# Altium PCB Spektrop2_Processor_Board_V1.PcbDoc (part 4 of 4)
Units mm, origin at the board's own origin, x right, y up, seen from the top; angles counter-clockwise.
Board outline 42 x 42 mm, 8 copper layers (TOP, L1-GND, L2, L3-1V8, L4-PWR, L5, L6-GND, BTM), stack 1.554 mm thick; 263 components, 222 nets, 1386 pads, 678 vias.
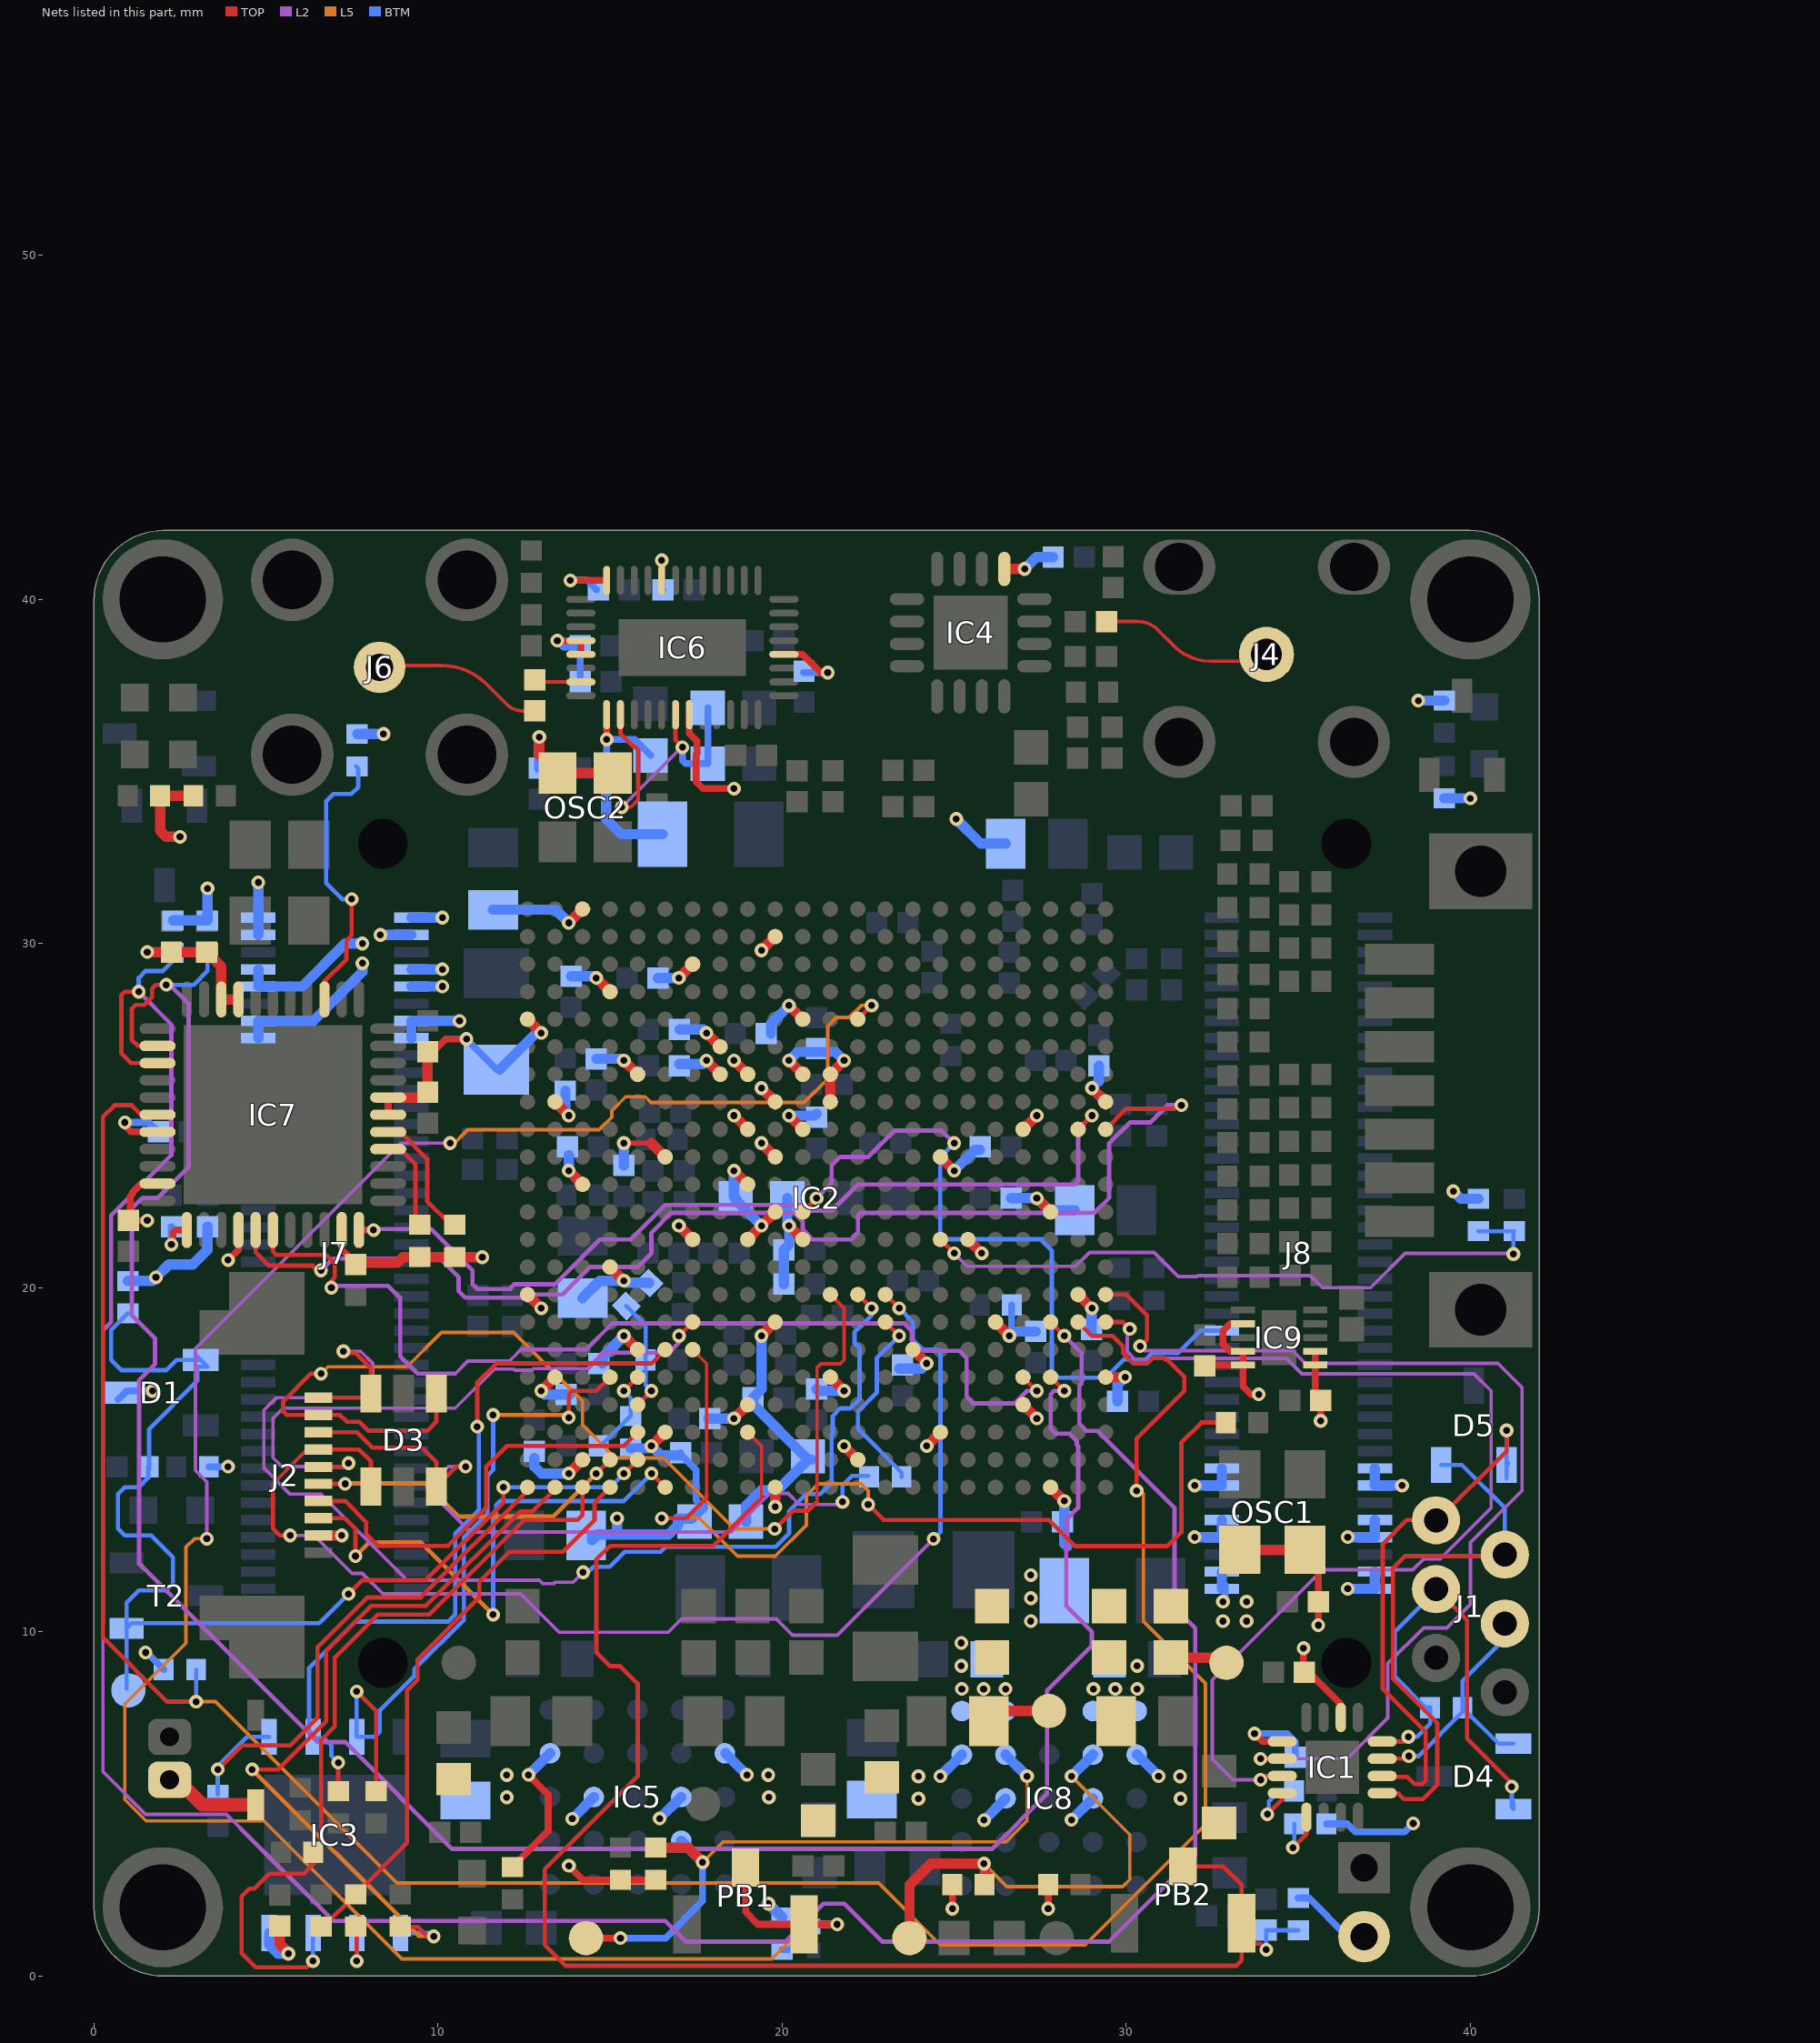
[diagram p10: the nets of this part, all layers, seen from the top]

## Via types
v1: diameter 0.4, hole 0.2, TOP to BTM, tented both sides, 678 vias

## Nets (pads, with @x,y where several pads share a name; then routed paths per layer and width w, separated by ;. In a path a pad name is that pad's centre, name@x,y a point inside that pad or via, vN(x,y) a via of type N, cw(c..) or ccw(c..) an arc to the next point about the centre after c; other vN are vias at no path point) (continued)
P1V8: C2.2 C26.1 C27.1 C28.1 C32.1 C40.1 C41.1 C42.1 C49.1 C50.1 C51.1 C52.1 C53.1 C54.1 C59.1 C60.1 C61.1 C62.1 C63.1 C64.1 C65.1 C66.1 C67.1 C68.1 C69.1 C70.1 C71.1 C74.1 C77.1 C83.1 C113.2 C115.2 C116.2 C117.2 C118.2 C119.2 C123.1 C125.2 C126.2 C127.2 C128.2 C129.2 D1.3 IC1.1 IC2.A3 IC2.A13 IC2.B10 IC2.B20 IC2.C7 IC2.C17 IC2.D4 IC2.D14 IC2.E1 IC2.E11 IC2.E21 IC2.F8 IC2.F18 IC2.G5 IC2.H2 IC2.H22 IC2.J19 IC2.K6 IC2.K14 IC2.K16 IC2.L3 IC2.L13 IC2.M14 IC2.M20 IC2.N7 IC2.N13 IC2.N17 IC2.P4 IC2.P12 IC2.P14 IC2.R1 IC2.R11 IC2.R13 IC2.R21 IC2.T11 IC2.T12 IC2.T14 IC2.T15 IC2.V22 IC3.8 IC4.13 IC6.4 IC6.16 IC6.20 IC6.29 IC6.35 IC7.21 IC7.26 IC7.32 IC7.39 IC7.40 IC9.1 IC9.2 J2.9 J3.2 L1.2 L4.1 L13.2 OSC1.1 OSC1.4 OSC2.1 OSC2.4 R1.2 R8.1 R11.2 R12.2 R19.2 R23.2 R24.2 R25.1 R26.1 R77.1 R79.2 R80.2 R81.1 R82.1 R83.1 R84.1 | length 117.9
  TOP w0.15: v1(15.399,24.2) 16.199,24.2
  TOP w0.2: v1(1.55,21.95) C119.2@1,21.95 1.05,22 1.05,22.649 1.125,22.724 1.125,22.776 1.374,23.025 IC7.21@1.85,23.025 IC7.21@1.9,23.025 ; v1(3.9,20.8) 4.2,21.1 IC7.26@4.2,21.675 ; IC7.32@7.2,21.675 7.2,21.105 C117.2@7.58,20.725 ; IC7.39@8.55,25.025 IC7.40@8.55,25.525 ; C116.2@9.7,25.675 C116.2@9.7,25.776 ; C115.2@9.7,26.85 9.849,26.85 10.224,27.225 v1(10.825,27.225) ; v1(13.844,40.55) IC6.20@14.9,40.55 ; v1(14.9,35.929) IC6.29@14.9,36.65 ; IC6.16@16.5,40.55 v1(16.5,41.135) ; IC6.35@17.3,36.65 17.3,36.101 17.525,35.876 17.525,35.524 17.5,35.499 17.5,34.7 17.7,34.5 v1(18.6,34.5) ; IC6.4@20.05,38.4 20.593,38.4 21.121,37.872 v1(21.324,37.872) ; v1(33.726,7.043) 33.957,6.813 IC1.1@34.533,6.813 ; IC9.2@35.488,18.15 IC9.1@35.488,17.75 35.488,16.889 C123.1@35.647,16.729 v1(35.647,16.129) ; v1(35.58,10.192) C74.1@35.58,10.876 OSC1.1@35.58,11.992
  TOP w0.3: C77.1@5.4,1.45 5.4,0.925 5.65,0.675 v1(5.65,0.65) ; J2.9@6.525,12.8 v1(7.2,12.8) ; C117.2@7.58,20.725 7.6,20.725 8.825,20.725 8.985,20.885 R79.2@9.471,20.885 R83.1@10.491,20.885 v1(11.285,20.885) ; IC7.40@8.55,25.525 C116.2@9.52,25.525 ; C116.2@9.542,25.546 C116.2@9.52,25.525 ; 9.697,26.528 9.697,25.675 9.697,25.546 9.675,25.525 C116.2@9.52,25.525 ; IC2.H22@12.599,19.8 v1(12.999,19.4) ; IC2.V22@12.599,27.8 v1(12.999,27.4) ; v1(12.944,36) 12.944,35.481 OSC2.1@13.475,34.95 OSC2.4@15.075,34.95 ; v1(12.999,17) IC2.E21@13.399,17.4 ; IC2.R21@13.399,25.4 v1(13.799,25) ; v1(13.799,14.6) IC2.B20@14.199,15 ; v1(13.799,23.4) IC2.M20@14.199,23 ; IC2.J19@14.999,20.6 v1(15.399,20.2) ; v1(15.4,18.6) IC2.F18@15.799,18.2 ; v1(16.199,15.4) IC2.C17@16.599,15.8 ; 16.199,24.2 IC2.N17@16.599,23.8 ; v1(16.999,21.8) IC2.K16@17.399,21.4 ; v1(17.799,26.6) IC2.T15@18.199,26.2 ; v1(18.599,16.2) IC2.D14@18.999,16.6 ; v1(18.599,23.4) IC2.M14@18.999,23 ; v1(18.599,25) IC2.P14@18.999,24.6 ; v1(18.599,26.6) IC2.T14@18.999,26.2 ; IC2.K14@18.999,21.4 v1(19.399,21.8) IC2.L13@19.799,22.2 ; v1(19.399,24.2) IC2.N13@19.799,23.8 ; v1(19.399,25.8) IC2.R13@19.799,25.4 ; v1(19.799,13.634) IC2.A13@19.799,14.2 ; v1(20.199,25) IC2.P12@20.599,24.6 ; v1(20.199,26.6) IC2.T12@20.599,26.2 ; IC2.E11@21.399,17.4 v1(21.799,17) ; IC2.R11@21.399,25.4 IC2.T11@21.399,26.2 v1(21.799,26.6) ; v1(21.799,15.4) IC2.B10@22.199,15 ; IC2.F8@23.799,18.2 v1(24.199,17.8) ; v1(24.199,15.4) IC2.C7@24.599,15.8 ; IC2.N7@24.599,23.8 v1(24.999,23.4) ; IC2.K6@25.399,21.4 v1(25.799,21) ; IC2.G5@26.199,19 v1(26.599,18.6) ; IC4.13@26.454,40.881 27.046,40.881 v1(27.047,40.883) ; IC2.P4@26.999,24.6 v1(27.399,25) ; IC2.D4@27,16.6 v1(27.4,16.201) ; v1(27.399,22.6) IC2.L3@27.799,22.2 ; IC2.A3@27.799,14.2 v1(28.199,13.8) ; IC2.H2@28.599,19.8 v1(28.999,19.4) ; v1(28.999,25.8) IC2.R1@29.399,25.4 ; IC2.E1@29.399,17.4 v1(29.965,17.4) ; OSC1.4@33.293,12.378 OSC1.1@35.193,12.378
  BTM w0.2: D1.3@0.7,16.75 0.85,16.9 0.95,17 v1(1.7,17) ; v1(1.5,9.4) 1.53,9.4 R84.1@2.03,8.9 ; v1(10.825,27.225) 10.825,27.208 C66.1@11.696,26.337 ; v1(13.844,40.55) 14.337,40.55 C125.2@14.606,40.281 ; C128.2@14.909,35.16 14.9,35.169 v1(14.9,35.929) 15.71,35.929 C127.2@16.175,35.464 ; v1@16.442,41.193 v1(16.5,41.135) 16.5,40.316 C126.2@16.539,40.277 ; C71.1@17.05,15.2 17.05,15.15 17.5,14.7 17.5,13.82 L4.1@17.7,13.62 ; C129.2@20.614,37.872 20.636,37.872 v1(21.324,37.872) ; v1(26.599,18.6) 26.67,18.67 R19.2@26.67,19.5 ; v1(27.399,25) v1@27.5,25 ; v1(33.726,7.043) 34.668,7.043 34.905,6.806 C2.2@34.905,6.356 ; R23.2@34.996,2.267 35.303,2.267 J3.2@36.419,1.151 ; R1.2@35.82,4.42 36.42,4.42 36.655,4.185 38.088,4.185 v1(38.336,4.433)
  BTM w0.3: R24.2@0.983,20.197 0.983,20.2 1.7,20.2 v1(1.8,20.3) 2.175,20.675 2.875,20.675 3.3,21.1 C118.2@3.3,21.775 ; R81.1@2.3,30.67 R82.1@3.3,30.67 v1(3.3,31.6) ; IC3.8@5.095,1.25 5.095,0.905 5.35,0.65 v1(5.65,0.65) ; R80.2@7.651,36.088 v1(8.417,36.088) ; C66.1@11.789,26.335 12.853,27.4 v1(12.999,27.4) ; C65.1@12.8,15.05 12.8,14.8 13,14.6 v1(13.799,14.6) ; C113.2@12.944,35.092 v1(12.944,36) ; v1@13.012,16.987 v1(12.999,17) v1@13.024,16.975 ; v1@13.024,17 v1@13.024,16.975 ; R8.1@13.7,25.723 13.7,25.098 v1(13.799,25) ; v1(13.799,23.4) C64.1@13.799,23.849 ; C63.1@13.824,16.9 C63.1@13.724,16.9 13.099,16.9 v1@13.024,16.975 ; C32.1@14.199,19.7 14.699,20.2 v1(15.399,20.2) ; C26.1@14.475,12.775 14.475,12.663 14.637,12.825 15.2,12.825 ; C70.1@14.786,17.8 14.779,17.792 14.779,17.979 v1(15.4,18.6) ; C128.2@14.9,35.169 14.888,35.157 14.888,35.1 14.888,33.612 15.326,33.174 C52.1@16.523,33.174 ; v1(15.2,13.3) 15.2,12.825 ; C42.1@15.4,23.55 v1(15.399,24.2) ; v1@15.457,20.142 16.132,20.142 R25.1@16.132,20.132 ; R26.1@15.6,15.33 16.13,15.33 v1(16.199,15.4) 16.473,15.126 C71.1@16.999,15.126 ; C68.1@17.014,26.5 17.699,26.5 v1(17.799,26.6) ; L4.1@17.7,13.62 17.37,13.291 16.975,13.291 16.975,13.2 16.975,13.103 16.697,12.825 15.2,12.825 ; C53.1@17.849,16.2 C53.1@17.899,16.2 v1(18.599,16.2) ; v1(18.599,23.4) 18.599,22.65 18.649,22.6 18.649,22.55 v1(19.399,21.8) ; v1(20.199,25) 20.95,25 C51.1@21,25.05 ; v1(20.199,26.6) 20.449,26.85 21,26.85 21.549,26.85 v1(21.799,26.6) ; C54.1@20.999,17.05 21.049,17 v1(21.799,17) ; C50.1@23.399,17.65 23.5,17.65 24.049,17.65 v1(24.199,17.8) ; v1(24.999,23.4) 25.6,24 C61.1@25.75,24 ; v1(25.057,33.617) 25.774,32.9 C49.1@26.5,32.9 ; C40.1@26.65,22.6 27.399,22.6 27.749,22.25 C62.1@28.5,22.25 ; v1@26.67,18.67 26.726,18.726 C41.1@27.364,18.726 ; v1(27.047,40.883) 27.39,41.225 C83.1@27.875,41.225 ; v1(28.199,13.8) 28.199,13.2 28.199,13.104 28.199,12.562 28.283,12.478 ; C27.1@28.993,18.709 C27.1@28.993,18.781 28.993,19.393 v1(28.999,19.4) ; v1(28.999,25.8) 29.199,26 C28.1@29.199,26.45 ; C60.1@29.749,16.7 29.749,17.184 v1(29.965,17.4) ; v1(38.485,37.057) R12.2@39.242,37.057 ; v1(39.5,22.8) 39.719,22.581 R77.1@40.231,22.581 ; v1(19.6,2.1) R11.2@19.995,1.705 v1(19.6,2.1)
  other v1: 27.225,10.31 27.225,10.978 27.225,11.646
P1V8_EN: IC5.D4 IC8.B2 R34.2 TP4.1 | length 19.5
  TOP w0.2: TP4.1@14.301,1.1 v1(15.3,1.1)
  TOP w0.3: R34.2@16.319,3.73 17.265,3.73 v1(17.69,3.305)
  L5 w0.1: v1(17.69,3.305) 18.285,3.9 26.5,3.9 27.115,4.515 v1(27.115,5.805)
  BTM w0.2: v1(15.3,1.1) 16.61,1.1 17.69,2.18 v1(17.69,3.305)
  BTM w0.3: IC5.D4@17.065,3.93 v1(17.69,3.305) ; IC8.B2@26.49,6.43 v1(27.115,5.805)
P1V8_L: C100.2 C101.2 IC8.A1 IC8.B1 L13.1 TP8.1 | length 1.9
  TOP w0.3: C100.2@26,7.4 26.3,7.7 TP8.1@27.75,7.7
  other v1: 25.22,8.34 25.855,8.34 26.49,8.34 25.205,9.008 25.205,9.676
P3V3: C1.2 C120.2 C121.2 C122.2 C132.2 C133.2 C134.2 C135.2 IC1.14 IC6.24 IC6.25 IC7.8 IC7.9 IC7.18 IC7.23 IC9.7 IC9.9 IC9.10 J8.65 J8.66 J8.67 J8.68 J8.71 J8.72 J8.73 J8.74 J8.77 J8.78 J8.79 J8.80 L11.2 L12.2 R10.2 R22.2 R58.2 R62.2 | length 28.4
  TOP w0.2: v1(0.9,24.8) 0.9,24.7 1.075,24.525 IC7.18@1.85,24.525 ; v1(2.25,21.25) 2.3,21.3 2.3,21.6 2.375,21.675 IC7.23@2.7,21.675 ; v1(13.464,38.8) IC6.24@14.15,38.8 14.15,38.5 ; C122.2@32.275,17.725 32.3,17.75 IC9.10@33.388,17.75 ; IC9.7@33.388,18.95 33.019,18.95 32.811,18.741 32.811,18.358 33.019,18.15 IC9.9@33.388,18.15 IC9.10@33.388,17.75 ; v1(33.85,16.9) 33.625,16.9 33.388,17.137 IC9.10@33.388,17.75 ; v1(35.151,9.525) 35.151,8.981 35.244,8.887 36.233,7.898 IC1.14@36.233,7.513
  TOP w0.3: v1(1.55,29.75) C120.2@2.25,29.75 C121.2@3.275,29.75 3.7,29.325 IC7.9@3.7,28.375 IC7.8@4.2,28.375 ; v1(2.5,33.1) 2.1,33.1 1.925,33.275 R62.2@1.925,34.295 R58.2@2.89,34.295
  BTM w0.2: v1(0.9,24.8) 1.6,24.8 C134.2@1.875,24.525 ; v1(2.25,21.25) C135.2@2.25,21.775 ; R22.2@3.34,14.8 v1(3.9,14.8) ; v1(13.464,38.8) 13.647,38.617 C132.2@13.997,38.617 ; C132.2@13.997,38.649 C132.2@13.997,38.617 ; C133.2@14.134,37.61 C132.2@14.134,38.617 ; C132.2@14.134,38.649 14.102,38.617 C132.2@13.997,38.617 ; v1(32.81,10.875) 32.875,10.94 32.875,11.25 J8.80@32.875,11.353
  BTM w0.3: v1(31.985,12.75) J8.74@32.775,12.75 J8.72@32.775,13.25 ; v1(31.985,14.25) J8.68@32.775,14.25 J8.66@32.775,14.75 ; J8.80@32.775,11.25 J8.78@32.775,11.75 ; v1(36.435,11.25) J8.79@37.225,11.25 J8.77@37.225,11.75 ; v1(36.435,12.75) J8.73@37.225,12.75 J8.71@37.225,13.25 ; J8.65@37.225,14.75 J8.67@37.225,14.25 v1(38.015,14.25) ; R10.2@39.242,34.217 v1(39.999,34.217)
  other v1: 32.81,10.31 33.495,10.31 33.495,10.875
P3V3_EN: IC8.D2 R39.2 TP2.1 | length 13.8
  TOP w0.3: TP2.1@23.7,1.1 23.7,2.641 24.324,3.265 v1(25.865,3.265) 25.885,3.245 R39.2@25.885,2.66
  L5 w0.1: v1(25.865,3.265) 26.53,2.6 29.9,2.6 30.1,2.8 30.1,4.11 v1(28.405,5.805)
  BTM w0.3: v1(28.405,5.805) IC8.D2@29.03,6.43
P3V3_L: C96.2 C97.2 IC8.D1 IC8.E1 L11.1 L12.1 TP7.1 | length 1.7
  TOP w0.3: L12.1@31.3,9.25 32.67,9.25 32.865,9.055 TP7.1@32.91,9.01
  other v1: 29.045,8.34 29.68,8.34 30.315,8.34 30.315,9.008
P12V0: C84.2 C85.2 C86.2 C93.2 C94.2 C95.2 D2.1 IC5.A2 IC5.B3 IC5.D3 IC5.E2 IC8.A2 IC8.B3 IC8.D3 IC8.E2 J5.1 R34.1 R38.1 R39.1 R41.1 R60.2 | length 17.3
  TOP w0.2: R60.2@12.16,3.17 13.2,4.21 13.2,5.275 v1(12.63,5.845) ; v1(13.8,3.2) 14.21,2.79 R41.1@15.3,2.79 R34.1@16.319,2.79 ; v1(24.945,1.955) R39.1@24.945,2.66 ; v1(27.73,1.955) R38.1@27.73,2.66
  TOP w0.4: J5.1@2.2,5.7 2.425,5.7 3.15,4.975 D2.1@4.7,4.975
  BTM w0.3: v1(12.63,5.845) IC5.A2@13.255,6.47 ; v1(13.9,4.567) IC5.B3@14.525,5.192 ; v1(16.44,4.575) IC5.D3@17.065,5.2 ; IC5.E2@18.35,6.47 v1(18.975,5.845) ; v1(24.595,5.805) IC8.A2@25.22,6.43 ; v1(25.865,4.527) IC8.B3@26.49,5.152 ; v1(28.405,4.535) IC8.D3@29.03,5.16 ; IC8.E2@30.315,6.43 v1(30.94,5.805)
  other v1: 23.959,5.152 31.576,5.152 11.994,5.192 19.611,5.192 23.959,5.8 31.561,5.8 11.994,5.84 19.596,5.84
Power_Good: C75.1 D1.1 IC2.B18 R24.1 T2.1 TP3.1 | length 35
  TOP w0.125: v1(7.4,11.1) 7.8,11.5 9.646,11.5 11.9,13.754 v1(11.9,14.2) ; v1(15.399,14.6) IC2.B18@15.799,15
  BTM w0.125: TP3.1@0.95,8.35 T2.1@0.95,10.1 ; R24.1@0.983,19.257 0.5,18.774 0.5,17.9 0.8,17.6 2.1,17.6 2.4,17.9 D1.1@3.1,17.9 ; C75.1@1.574,14.8 1.574,14.474 1.3,14.2 0.9,14.2 0.7,14 0.7,13 0.9,12.8 1.658,12.8 2.298,12.161 2.298,11.398 2.1,11.2 1.3,11.2 0.95,10.85 T2.1@0.95,10.1 ; C75.1@1.599,14.759 C75.1@1.604,14.759 ; C75.1@1.604,14.7 C75.1@1.604,14.759 ; D1.1@3,18 D1.1@3.1,17.9 ; v1(7.4,11.1) 6.55,10.25 1.1,10.25 T2.1@0.95,10.1 ; v1(11.9,14.2) 15,14.2 v1(15.399,14.6) ; C75.1@1.604,14.759 1.604,14.8 1.604,15.894 3,17.29 3,17.7 3.1,17.7 3.3,17.7 D1.1@3.1,17.9
PROGRAM_B: C3.2 IC2.V10 PB1.1 PB1.3 R11.1 | length 69.1
  TOP w0.125: IC2.V10@22.199,27.8 v1(22.599,28.2)
  TOP w0.2: PB1.3@18.935,3.15 18.935,1.865 19.3,1.5 PB1.1@20.635,1.5 v1(21.6,1.5)
  L2 w0.1: v1(3.28,12.705) 3.28,14.358 2.95,14.688 2.95,18.227 8.922,24.2 v1(10.348,24.2)
  L5 w0.1: v1(3.28,12.705) 2.92,12.705 2.674,12.46 2.674,9.672 0.896,7.893 0.896,5.124 1.516,4.503 4.94,4.503 8.943,0.5 19.697,0.5 20.697,1.5 v1(21.6,1.5) ; v1(10.348,24.2) 10.413,24.135 10.866,24.588 14.682,24.588 15.049,24.955 15.049,25.144 15.452,25.547 16.022,25.547 16.188,25.381 20.637,25.381 21.32,26.064 21.32,27.596 21.573,27.85 21.949,27.85 22.299,28.2 v1(22.599,28.2)
  BTM w0.2: R11.1@19.995,0.765 20.24,0.765 20.485,1.01 20.485,1.053 20.867,1.435 C3.2@20.91,1.435 20.975,1.5 v1(21.6,1.5)
PS_CLK: IC2.F16 R14.1 | length 28.2
  TOP w0.1: IC2.F16@17.399,18.2 17.805,17.794 17.805,14
  TOP w0.125: v1(16.5,13.3) 17.21,13.3 17.805,13.895 17.805,14 ; v1(22.5,13.7) 22.95,13.25 27.75,13.25 28.513,12.488 31.187,12.488 31.598,12.898 31.598,15.498 32.182,16.082 R14.1@32.898,16.082
  L5 w0.1: v1(16.5,13.3) 17.6,13.3 18.7,12.2 19.8,12.2 20.7,13.1 20.7,13.95 21.05,14.3 22.3,14.3 22.5,14.1 v1(22.5,13.7)
PS_MIO7_VMODE0: IC2.D18 R25.2 R29.1 | length 3.3
  TOP w0.125: IC2.D18@15.799,16.6 v1(16.199,17)
  BTM w0.125: R25.2@15.468,19.468 16.03,18.905 R29.1@16.03,17.9 16.03,17.169 v1(16.199,17)
PS_MIO8_VMODE1: IC2.E18 R26.2 R28.1 | length 2.7
  TOP w0.125: v1(15.399,17) IC2.E18@15.799,17.4
  BTM w0.125: R28.1@14.67,15.4 14.73,15.4 R26.2@15.6,16.27 15.6,16.799 v1(15.399,17)
PS_SRST_B: C76.1 IC2.C14 PB2.1 PB2.3 R23.1 | length 47.4
  TOP w0.1: IC2.C14@18.999,15.8 19.399,15.4 19.399,14.383 19.399,13.899
  TOP w0.125: 19.399,13.899 18,12.5 15,12.5 14.6,12.1 14.6,9.4 15,9 15.3,9 15.8,8.5 15.8,5.8 13.1,3.1 13.1,0.9 13.7,0.3 33.2,0.3 33.35,0.45 PB2.1@33.35,1.535 33.35,2.65 32.815,3.185 PB2.3@31.65,3.185 ; PB2.1@33.529,0.942 33.887,0.942 v1(34.066,0.763)
  BTM w0.125: v1(34.066,0.763) C76.1@34.066,1.335 34.075,1.327 R23.1@34.996,1.327
PUDC_B: IC2.K7 R77.2 R78.1 | length 19.7
  TOP w0.125: IC2.K7@24.599,21.4 v1(24.999,21)
  L2 w0.1: v1(24.999,21) 25.38,20.618 28.523,20.618 28.928,21.023 30.807,21.023 31.505,20.325 32.055,20.325 32.08,20.35 35.35,20.35 35.7,20 37.1,20 38.1,21 41.225,21 v1(41.25,20.975)
  BTM w0.125: R77.2@40.231,21.641 R78.1@41.271,21.641 41.25,21.62 v1(41.25,20.975)
QSPI_CLK_BOOT_MODE4: IC2.A19 R20.1 R30.1 | length 17.2
  TOP w0.125: R20.1@6.6,1.43 6.66,1.43 R30.1@7.6,2.37 9.1,3.87 9.1,8.3 9.4,8.6 9.4,9.2 11.2,11 11.2,11.45 12.075,12.325 13.625,12.325 14.55,13.25 14.55,13.75 IC2.A19@14.999,14.2
QSPI_CLK_BOOT_MODE4_R: IC3.6 R30.2 | length 1.8
  TOP w0.125: v1(7.635,0.435) R30.2@7.635,1.395
  BTM w0.125: v1(7.635,0.435) IC3.6@7.635,1.25
QSPI_DQ0_BOOT_MODE3: IC2.A21 IC3.5 R16.1 | length 22.8
  TOP w0.125: v1(4.6,6) 5.354,6 6.75,7.396 6.75,9.45 8.05,10.75 8.148,10.75 9.646,10.75 12.396,13.5 12.75,13.5 13.399,14.149 IC2.A21@13.399,14.2 ; R16.1@8.9,1.43 9.414,1.43 9.694,1.15 v1(9.875,1.15)
  L5 w0.1: 9.429,1.171 9.45,1.15 v1(9.875,1.15)
  L5 w0.125: v1(4.6,6) 9.429,1.171
  BTM w0.125: IC3.5@8.905,1.25 9.775,1.25 v1(9.875,1.15)
QSPI_DQ1_BOOT_MODE1: IC2.F17 IC3.2 R17.1 | length 21.9
  TOP w0.125: R17.1@7.1,5.37 v1(7.1,6.2) ; v1(11.138,15.962) 11.138,17.238 11.7,17.8 16.199,17.8 IC2.F17@16.599,18.2
  BTM w0.125: v1(7.1,6.2) 6.9,6.4 6.9,6.7 6.7,6.9 6.415,6.9 6.415,6.95 6.39,6.975 6.25,7.115 6.25,8.95 7.6,10.3 10.3,10.3 10.5,10.5 10.5,12.854 11.188,13.541 11.188,15.912 v1(11.138,15.962)
QSPI_DQ2_BOOT_MODE2: IC2.E19 IC3.3 R18.1 | length 20.1
  TOP w0.125: v1(7.635,8.265) 8.2,7.7 R18.1@8.2,5.37 ; v1(13.799,16.225) 13.799,16.65 13.799,16.9 13.899,17 14.599,17 IC2.E19@14.999,17.4
  L5 w0.125: v1(11.6,16.3) 13.724,16.3 v1(13.799,16.225)
  BTM w0.125: v1(7.635,8.265) IC3.3@7.635,6.95 8.15,6.95 8.3,7.1 8.3,7.71 9.313,8.722 9.313,8.913 10.75,10.35 10.75,12.75 11.438,13.438 11.438,14.538 11.6,14.7 v1(11.6,16.3)
QSPI_DQ3_BOOT_MODE0: IC2.A20 IC3.7 R21.1 | length 23.2
  TOP w0.125: v1(6.365,0.435) 6.18,0.25 4.7,0.25 4.287,0.663 4.287,2.311 4.514,2.538 4.663,2.538 5.1,2.975 6.1,2.975 6.37,3.245 R21.1@6.37,3.6 6.6,3.83 6.6,6.85 7,7.25 7,9.248 8.252,10.5 9.75,10.5 12.5,13.25 14.05,13.25 14.199,13.399 IC2.A20@14.199,14.2
  BTM w0.125: v1(6.365,0.435) IC3.7@6.365,1.25
QSPI_nCS: IC2.A22 IC3.1 R15.1 | length 16.3
  TOP w0.125: v1(3.6,6) 4.3,6.7 5.7,6.7 6.5,7.5 6.5,9.554 7.946,11 9.5,11 12.599,14.099 IC2.A22@12.599,14.2
  BTM w0.125: R15.1@3.6,5.27 v1(3.6,6) 3.6,6.1 4.45,6.95 IC3.1@5.095,6.95
RS485_RX: IC1.2 IC2.H1 | length 30.5
  TOP w0.125: IC2.H1@29.399,19.8 30,19.8 30.6,19.2 30.6,18.5 v1(30.4,18.3) ; v1(33.9,6.313) IC1.2@34.533,6.313
  L2 w0.1: v1(30.4,18.3) 30.529,18.171 34.829,18.171 35.2,17.8 40.8,17.8 41.5,17.1 41.5,14.1 40,12.6 40,10.8 39.316,10.116 38.638,10.116 37.6,9.078 37.6,7.5 36.413,6.313 v1(33.9,6.313)
RS485_RX_A: D4.2 IC1.12 J1.3 R2.2 | length 13.8
  TOP w0.125: IC1.12@37.433,6.813 38.06,6.813 v1(38.197,6.95) ; J1.3@39,10.841 39.4,10.841 39.9,10.341 39.9,6.9 41.2,5.6 v1(41.2,5.5)
  BTM w0.125: v1(38.197,6.95) 38.45,6.95 38.83,7.33 R2.2@38.83,7.8 38.7,7.8 37.8,8.7 37.8,10 39,11.2 J1.3@39,11.241 ; D4.2@41.2,4.9 v1(41.2,5.5) ; D4.2@41.25,4.85 D4.2@41.25,5.05
RS485_RX_B: D4.1 IC1.11 J1.4 R2.1 | length 7.9
  TOP w0.125: IC1.11@37.433,6.313 38.213,6.313 v1(38.213,6.387)
  BTM w0.125: v1(38.213,6.387) 38.487,6.387 39.77,7.67 R2.1@39.77,7.8 ; J1.4@41,10.241 41,9.8 39.77,8.57 R2.1@39.77,7.8 ; D4.1@41.25,6.75 40.82,6.75 R2.1@39.77,7.8
RS485_TX: IC1.3 IC2.G1 | length 30.7
  TOP w0.125: IC2.G1@29.399,19 29.9,19 v1(30.1,18.8) ; v1(33.9,5.7) 34.012,5.813 IC1.3@34.533,5.813
  L2 w0.1: v1(30.1,18.8) 30.025,18.725 30.025,18.145 30.245,17.925 30.752,17.925 30.773,17.946 34.654,17.946 35.1,17.5 40.1,17.5 40.6,17 40.6,13.6 39.116,12.116 38.638,12.116 38.322,11.8 35.7,11.8 32.5,8.6 32.5,6.3 33.1,5.7 v1(33.9,5.7)
  BTM w0.125: v1@33.898,5.698 v1(33.9,5.7)
RS485_TX_Y: D5.2 IC1.9 J1.2 | length 16.3
  TOP w0.125: IC1.9@37.433,5.313 37.891,5.313 38.065,5.139 38.621,5.139 39.038,5.556 39.038,7.345 37.75,8.633 37.75,11.85 38.1,12.2 40.641,12.2 40.8,12.041 J1.2@41,11.841
  BTM w0.125: D5.2@39.15,14.85 39.75,14.85 41,13.6 J1.2@41,12.241 J1.2@41,11.841
RS485_TX_Z: D5.1 IC1.10 J1.1 | length 15.7
  TOP w0.125: IC1.10@37.433,5.813 37.433,5.788 38.164,5.788 38.38,5.573 38.595,5.573 38.697,5.674 38.697,7.092 37.452,8.337 37.452,12.552 38.15,13.25 38.55,13.25 J1.1@38.7,13.1 ; J1.1@39,12.841 39,13.2 39.02,13.22 41.05,15.25 v1(41.05,15.85)
  BTM w0.125: D5.1@41.05,14.45 D5.1@41.05,14.85 ; v1(41.05,15.85) D5.1@41.05,14.85 ; D5.1@41.1,14.9 D5.1@41.05,14.85
SDO0: C111.2 J6.1 | length 5